# Altium PCB MCC17.PcbDoc (part 4 of 5) (continued)
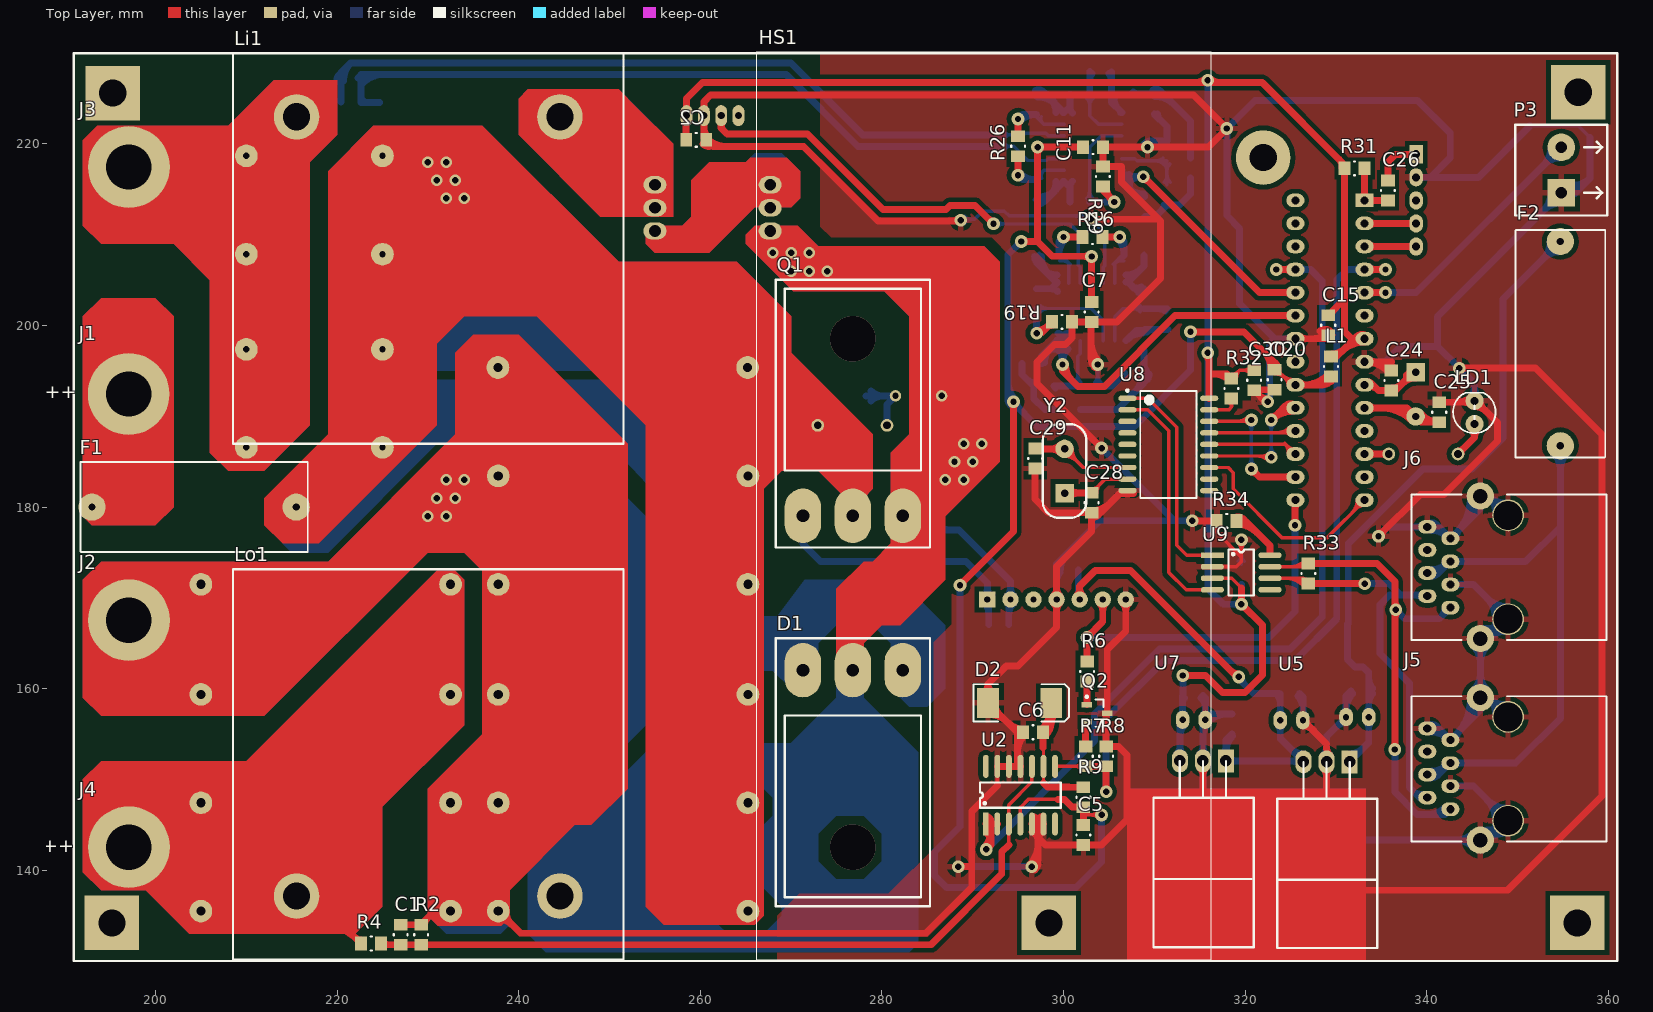
[diagram p0: Top Layer view]
## Nets (pads, with @x,y where several pads share a name; then routed paths per layer and width w, separated by ;. In a path a pad name is that pad's centre, name@x,y a point inside that pad or via, vN(x,y) a via of type N, cw(c..) or ccw(c..) an arc to the next point about the centre after c; other vN are vias at no path point) (continued)
  Top Layer w0.762: Y2.1@300.166,181.576 C28.2@303.101,181.576 ; Y2.1@300.575,181.087 cw(c301.756,179.906) 301.756,181.576 ; Y2.1@300.575,181.087 cw(c301.756,179.906) 301.756,181.576 ; Y2.1@300.575,181.087 cw(c301.756,179.906) 301.756,181.576 ; Y2.1@300.575,181.087 cw(c301.756,179.906) 301.756,181.576 ; Y2.1@300.575,181.985 ccw(c301.562,182.972) 301.562,181.576 ; Y2.1@300.575,181.985 ccw(c301.562,182.972) 301.562,181.576 ; Y2.1@300.575,181.985 ccw(c301.562,182.972) 301.562,181.576 ; Y2.1@300.575,181.985 ccw(c301.562,182.972) 301.562,181.576
NetC29_2: C29.2 U8.7 Y2.2 | length 42.4
  Top Layer w0.381: C29.2@296.876,186.451 C29.2@296.911,186.451 ; Y2.2@300.091,186.451 Y2.2@300.126,186.416 302.181,184.361 U8.7@307.051,184.361 ; Y2.2@300.126,185.59 cw(c300.126,183.597) 301.535,185.007 ; Y2.2@300.126,185.59 cw(c300.126,183.597) 301.535,185.007 ; Y2.2@300.126,185.59 cw(c300.126,183.597) 301.535,185.007 ; Y2.2@300.126,185.59 cw(c300.126,183.597) 301.535,185.007 ; Y2.2@300.126,185.971 cw(c300.126,184.898) 300.885,185.657 ; Y2.2@300.126,185.971 cw(c300.126,184.898) 300.885,185.657 ; Y2.2@300.126,185.971 cw(c300.126,184.898) 300.885,185.657 ; Y2.2@300.126,185.971 cw(c300.126,184.898) 300.885,185.657 ; Y2.2@300.57,186.416 ccw(c301.644,186.416) 300.885,185.657 ; Y2.2@300.57,186.416 ccw(c301.644,186.416) 300.885,185.657 ; Y2.2@300.57,186.416 ccw(c301.644,186.416) 300.885,185.657 ; Y2.2@300.57,186.416 ccw(c301.644,186.416) 300.885,185.657 ; Y2.2@300.951,186.416 ccw(c302.944,186.416) 301.535,185.007 ; Y2.2@300.951,186.416 ccw(c302.944,186.416) 301.535,185.007 ; Y2.2@300.951,186.416 ccw(c302.944,186.416) 301.535,185.007 ; Y2.2@300.951,186.416 ccw(c302.944,186.416) 301.535,185.007
  Top Layer w0.762: C29.2@296.911,186.416 Y2.2@300.126,186.416 ; C29.2@297.166,186.641 ccw(c297.71,187.185) 297.71,186.416 ; C29.2@297.166,186.641 ccw(c297.71,187.185) 297.71,186.416 ; C29.2@297.166,186.641 ccw(c297.71,187.185) 297.71,186.416 ; C29.2@297.166,186.641 ccw(c297.71,187.185) 297.71,186.416 ; 298.593,186.416 cw(c298.593,184.883) Y2.2@299.677,185.967 ; 298.593,186.416 ccw(c298.593,187.949) Y2.2@299.677,186.865 ; 298.593,186.416 cw(c298.593,184.883) Y2.2@299.677,185.967 ; 298.593,186.416 ccw(c298.593,187.949) Y2.2@299.677,186.865 ; 298.593,186.416 ccw(c298.593,187.949) Y2.2@299.677,186.865 ; 298.593,186.416 cw(c298.593,184.883) Y2.2@299.677,185.967 ; 298.593,186.416 ccw(c298.593,187.949) Y2.2@299.677,186.865 ; 298.593,186.416 cw(c298.593,184.883) Y2.2@299.677,185.967
NetCs1_2: Cs1.2 Ds1.2 Rs1.1 | length 23.4
  Bottom Layer w0.762: Ds1.2@278.25,192.25 Cs1.2@281.5,192.25 280.56,191.31 Rs1.1@280.56,189 ; Ds1.2@278.794,191.706 cw(c280.107,190.393) 280.107,192.25 ; Ds1.2@278.794,191.706 cw(c280.107,190.393) 280.107,192.25 ; Ds1.2@278.794,191.706 cw(c280.107,190.393) 280.107,192.25 ; Ds1.2@278.794,191.706 cw(c280.107,190.393) 280.107,192.25 ; Ds1.2@278.794,192.794 ccw(c280.107,194.107) 280.107,192.25 ; Ds1.2@278.794,192.794 ccw(c280.107,194.107) 280.107,192.25 ; Ds1.2@278.794,192.794 ccw(c280.107,194.107) 280.107,192.25 ; Ds1.2@278.794,192.794 ccw(c280.107,194.107) 280.107,192.25 ; Rs1.1@280.334,189.226 ccw(c279.79,189.77) 280.56,189.77 ; Rs1.1@280.334,189.226 ccw(c279.79,189.77) 280.56,189.77 ; Rs1.1@280.334,189.226 ccw(c279.79,189.77) 280.56,189.77 ; Rs1.1@280.334,189.226 ccw(c279.79,189.77) 280.56,189.77 ; 280.56,189.77 ccw(c281.33,189.77) Rs1.1@280.786,189.226 ; 280.56,189.77 ccw(c281.33,189.77) Rs1.1@280.786,189.226 ; 280.56,189.77 ccw(c281.33,189.77) Rs1.1@280.786,189.226 ; 280.56,189.77 ccw(c281.33,189.77) Rs1.1@280.786,189.226
NetF1_2: F1.2 J1.1 | length 106.3
  Bottom Layer w1.524: F1.2@193,180 197.04,184.04 J1.1@197.04,192.456 ; F1.2@193,180.738 ccw(c193,182.52) 194.26,181.26 ; F1.2@193,180.738 ccw(c193,182.52) 194.26,181.26 ; F1.2@193,180.738 ccw(c193,182.52) 194.26,181.26 ; F1.2@193,180.738 ccw(c193,182.52) 194.26,181.26 ; F1.2@193.738,180 cw(c195.52,180) 194.26,181.26 ; F1.2@193.738,180 cw(c195.52,180) 194.26,181.26 ; F1.2@193.738,180 cw(c195.52,180) 194.26,181.26 ; F1.2@193.738,180 cw(c195.52,180) 194.26,181.26 ; J1.1@194.534,189.683 cw(c189.436,184.04) 197.04,184.04 ; J1.1@194.534,189.683 cw(c189.436,184.04) 197.04,184.04 ; J1.1@194.534,189.683 cw(c189.436,184.04) 197.04,184.04 ; J1.1@194.534,189.683 cw(c189.436,184.04) 197.04,184.04 ; J1.1@195.556,190.813 cw(c192.536,187.471) 197.04,187.471 ; J1.1@195.556,190.813 cw(c192.536,187.471) 197.04,187.471 ; J1.1@195.556,190.813 cw(c192.536,187.471) 197.04,187.471 ; J1.1@195.556,190.813 cw(c192.536,187.471) 197.04,187.471 ; 197.04,184.04 cw(c204.644,184.04) J1.1@199.546,189.683 ; 197.04,184.04 cw(c204.644,184.04) J1.1@199.546,189.683 ; 197.04,184.04 cw(c204.644,184.04) J1.1@199.546,189.683 ; 197.04,184.04 cw(c204.644,184.04) J1.1@199.546,189.683 ; 197.04,187.471 cw(c201.544,187.471) J1.1@198.524,190.813 ; 197.04,187.471 cw(c201.544,187.471) J1.1@198.524,190.813 ; 197.04,187.471 cw(c201.544,187.471) J1.1@198.524,190.813 ; 197.04,187.471 cw(c201.544,187.471) J1.1@198.524,190.813
NetLD1_1: LD1.1 R30.1 | length 18.2
  Top Layer w0.762: R30.1@343.45,185.85 345.275,187.675 ; LD1.1@345.275,189.16 345.275,187.675 ; R30.1@343.45,186.169 ccw(c343.45,186.939) 343.995,186.395 ; R30.1@343.45,186.169 ccw(c343.45,186.939) 343.995,186.395 ; R30.1@343.45,186.169 ccw(c343.45,186.939) 343.995,186.395 ; R30.1@343.45,186.169 ccw(c343.45,186.939) 343.995,186.395 ; R30.1@343.769,185.85 cw(c344.539,185.85) 343.995,186.395 ; R30.1@343.769,185.85 cw(c344.539,185.85) 343.995,186.395 ; R30.1@343.769,185.85 cw(c344.539,185.85) 343.995,186.395 ; R30.1@343.769,185.85 cw(c344.539,185.85) 343.995,186.395 ; LD1.1@344.839,188.72 cw(c343.803,187.675) 345.275,187.675 ; LD1.1@344.839,188.72 cw(c343.803,187.675) 345.275,187.675 ; LD1.1@344.839,188.72 cw(c343.803,187.675) 345.275,187.675 ; LD1.1@344.839,188.72 cw(c343.803,187.675) 345.275,187.675 ; 345.275,187.675 cw(c346.747,187.675) LD1.1@345.711,188.72 ; 345.275,187.675 cw(c346.747,187.675) LD1.1@345.711,188.72 ; 345.275,187.675 cw(c346.747,187.675) LD1.1@345.711,188.72 ; 345.275,187.675 cw(c346.747,187.675) LD1.1@345.711,188.72
NetLi1_2: Li1.2 U1.1 U1.2 | length 135.3
  Top Layer w1.524: Li1.2@244.544,222.98 247.52,222.98 ; U1.2@255,212.96 U1.1@255,215.5 247.52,222.98 ; Li1.2@244.544,221.242 cw(c244.544,209.861) 252.591,217.909 ; Li1.2@244.544,221.242 cw(c244.544,209.861) 252.591,217.909 ; Li1.2@244.544,221.242 cw(c244.544,209.861) 252.591,217.909 ; Li1.2@244.544,221.242 cw(c244.544,209.861) 252.591,217.909 ; Li1.2@244.544,222.766 cw(c244.544,215.065) 249.99,220.51 ; Li1.2@244.544,222.766 cw(c244.544,215.065) 249.99,220.51 ; Li1.2@244.544,222.766 cw(c244.544,215.065) 249.99,220.51 ; Li1.2@244.544,222.766 cw(c244.544,215.065) 249.99,220.51 ; Li1.2@244.544,224.29 cw(c244.544,220.268) 247.388,223.112 ; Li1.2@244.544,224.29 cw(c244.544,220.268) 247.388,223.112 ; Li1.2@244.544,224.29 cw(c244.544,220.268) 247.388,223.112 ; Li1.2@244.544,224.29 cw(c244.544,220.268) 247.388,223.112 ; Li1.2@244.681,222.816 cw(c246.176,221.021) 247.828,222.672 ; Li1.2@244.681,222.816 cw(c246.176,221.021) 247.828,222.672 ; Li1.2@244.681,222.816 cw(c246.176,221.021) 247.828,222.672 ; Li1.2@244.681,222.816 cw(c246.176,221.021) 247.828,222.672 ; Li1.2@245.656,221.645 cw(c247.249,219.733) 249.008,221.492 ; Li1.2@245.656,221.645 cw(c247.249,219.733) 249.008,221.492 ; Li1.2@245.656,221.645 cw(c247.249,219.733) 249.008,221.492 ; Li1.2@245.656,221.645 cw(c247.249,219.733) 249.008,221.492 ; Li1.2@246.058,222.126 cw(c247.52,221.301) 247.52,222.98 ; Li1.2@246.058,222.126 cw(c247.52,221.301) 247.52,222.98 ; Li1.2@246.058,222.126 cw(c247.52,221.301) 247.52,222.98 ; Li1.2@246.058,222.126 cw(c247.52,221.301) 247.52,222.98 ; Li1.2@246.058,223.834 ccw(c247.52,224.659) 247.52,222.98 ; Li1.2@246.058,223.834 ccw(c247.52,224.659) 247.52,222.98 ; Li1.2@246.058,223.834 ccw(c247.52,224.659) 247.52,222.98 ; Li1.2@246.058,223.834 ccw(c247.52,224.659) 247.52,222.98 ; 254.133,216.367 cw(c253.266,215.5) U1.1@254.492,215.5 ; 254.133,216.367 cw(c253.266,215.5) U1.1@254.492,215.5 ; 254.133,216.367 cw(c253.266,215.5) U1.1@254.492,215.5 ; 254.133,216.367 cw(c253.266,215.5) U1.1@254.492,215.5
NetQ2_1: Q2.1 R6.2 | length 4.9
  Top Layer w0.381: R6.2@302.575,160.5 302.575,160.775 R6.2@302.6,160.8
  Top Layer w0.762: Q2.1@302.575,158.25 R6.2@302.575,160.5 ; 302.575,160.09 cw(c303.31,160.09) R6.2@302.79,160.61 ; 302.575,160.09 cw(c303.31,160.09) R6.2@302.79,160.61 ; 302.575,160.09 cw(c303.31,160.09) R6.2@302.79,160.61 ; 302.575,160.09 cw(c303.31,160.09) R6.2@302.79,160.61
NetQ2_2: Q2.2 R7.1 | length 2.9
  Top Layer w0.381: R7.1@302.45,153.65 R7.1@302.575,153.775 ; Q2.2@302.575,156.225 Q2.2@302.575,156.35
  Top Layer w0.762: R7.1@302.45,153.65 Q2.2@302.45,156.225
NetR10_1: R10.1 R11.2 U3.9 | length 18.6
  Bottom Layer w0.381: U3.9@305.64,198.325 305.64,200.94 306.55,201.85 R10.1@308.875,201.85 ; 307.666,201.85 cw(c307.666,200.741) R10.1@308.45,201.525 ; 307.666,201.85 ccw(c307.666,202.959) R10.1@308.45,202.175 ; 307.666,201.85 cw(c307.666,200.741) R10.1@308.45,201.525 ; 307.666,201.85 ccw(c307.666,202.959) R10.1@308.45,202.175 ; 307.666,201.85 ccw(c307.666,202.959) R10.1@308.45,202.175 ; 307.666,201.85 cw(c307.666,200.741) R10.1@308.45,201.525 ; 307.666,201.85 ccw(c307.666,202.959) R10.1@308.45,202.175 ; 307.666,201.85 cw(c307.666,200.741) R10.1@308.45,201.525
  Bottom Layer w0.762: R10.1@308.875,201.85 R11.2@311.425,201.85 ; 310.57,201.85 cw(c310.57,200.945) R11.2@311.21,201.585 ; 310.57,201.85 cw(c310.57,200.945) R11.2@311.21,201.585 ; 310.57,201.85 cw(c310.57,200.945) R11.2@311.21,201.585 ; 310.57,201.85 cw(c310.57,200.945) R11.2@311.21,201.585
NetR10_2: R10.2 R12.1 U3.7 | length 23.2
  Bottom Layer w0.381: R12.1@308.875,207.7 R12.1@308.875,207.95
  Bottom Layer w0.762: R10.2@308.875,204.05 307.85,204.05 307.103,204.797 308.875,206.568 R12.1@308.875,207.7 ; U3.7@306.91,204.802 ccw(c306.91,205.282) 307.249,204.942 ; U3.7@306.91,204.802 ccw(c306.91,205.282) 307.249,204.942 ; U3.7@306.91,204.802 ccw(c306.91,205.282) 307.249,204.942 ; U3.7@306.91,204.802 ccw(c306.91,205.282) 307.249,204.942 ; U3.7@306.91,205.564 ccw(c306.91,207.883) 308.55,206.243 ; U3.7@306.91,205.564 ccw(c306.91,207.883) 308.55,206.243 ; U3.7@306.91,205.564 ccw(c306.91,207.883) 308.55,206.243 ; U3.7@306.91,205.564 ccw(c306.91,207.883) 308.55,206.243 ; 307.566,204.334 ccw(c308.129,204.897) R10.2@308.612,204.264 ; 307.566,204.334 ccw(c308.129,204.897) R10.2@308.612,204.264 ; 307.566,204.334 ccw(c308.129,204.897) R10.2@308.612,204.264 ; 307.566,204.334 ccw(c308.129,204.897) R10.2@308.612,204.264 ; R10.2@308.182,203.718 ccw(c308.662,204.198) R10.2@309.074,203.658 ; R10.2@308.182,203.718 ccw(c308.662,204.198) R10.2@309.074,203.658 ; R10.2@308.182,203.718 ccw(c308.662,204.198) R10.2@309.074,203.658 ; R10.2@308.182,203.718 ccw(c308.662,204.198) R10.2@309.074,203.658
NetR11_1: R11.1 R13.2 U3.8 | length 16.1
  Bottom Layer w0.381: R13.2@308.875,199.45 R13.2@309,199.45
  Bottom Layer w0.762: U3.8@306.91,198.325 308.035,199.45 R13.2@308.875,199.45 ; R13.2@309,199.575 R11.1@311.5,199.575 ; U3.8@307.053,198.468 cw(c308.775,196.745) R13.2@308.775,199.181 ; U3.8@307.053,198.468 cw(c308.775,196.745) R13.2@308.775,199.181 ; U3.8@307.053,198.468 cw(c308.775,196.745) R13.2@308.775,199.181 ; U3.8@307.053,198.468 cw(c308.775,196.745) R13.2@308.775,199.181 ; R13.2@309.165,199.26 cw(c309.926,198.499) 309.926,199.575 ; R13.2@309.165,199.26 cw(c309.926,198.499) 309.926,199.575 ; R13.2@309.165,199.26 cw(c309.926,198.499) 309.926,199.575 ; R13.2@309.165,199.26 cw(c309.926,198.499) 309.926,199.575
NetR12_2: R12.2 R16.2 U3.6 | length 24
  Top Layer w0.762: R16.2@304.3,209.75 v1(306.2,209.75) ; v1@305.974,209.524 ccw(c305.43,208.98) 305.43,209.75 ccw(c305.43,210.52) v1@305.974,209.976
  Bottom Layer w0.381: U3.6@305.64,204.675 305.64,206.915 306.55,207.825 R12.2@306.675,207.95 ; 305.465,206.74 cw(c306.461,205.744) R12.2@306.622,207.144 ; 305.465,206.74 cw(c306.461,205.744) R12.2@306.622,207.144 ; 305.465,206.74 cw(c306.461,205.744) R12.2@306.622,207.144 ; 305.465,206.74 cw(c306.461,205.744) R12.2@306.622,207.144 ; 306.023,207.298 cw(c306.577,206.744) R12.2@306.666,207.522 ; 306.023,207.298 cw(c306.577,206.744) R12.2@306.666,207.522 ; 306.023,207.298 cw(c306.577,206.744) R12.2@306.666,207.522 ; 306.023,207.298 cw(c306.577,206.744) R12.2@306.666,207.522
  Bottom Layer w0.762: v1@305.979,209.52 cw(c304.415,207.888) R12.2@306.675,207.888 ; v1(306.2,209.75) 306.675,209.275 306.675,207.95 R12.2@306.675,207.7 ; v1@306.02,209.57 cw(c304.44,207.99) R12.2@306.675,207.99 ; v1@306.02,209.57 cw(c304.44,207.99) R12.2@306.675,207.99 ; v1@306.02,209.57 cw(c304.44,207.99) R12.2@306.675,207.99
NetR16_1: R16.1 R17.2 U3.2 | length 24.2
  Top Layer w0.381: R16.1@301.9,209.75 R16.1@302.1,209.75
  Top Layer w0.762: v1(300,209.75) R16.1@301.9,209.75 ; v1@300.226,209.524 cw(c300.77,208.98) 300.77,209.75 cw(c300.77,210.52) v1@300.226,209.976
  Bottom Layer w0.381: R17.2@299.525,207.95 299.65,207.825 300.56,206.915 U3.2@300.56,204.675 ; R17.2@299.534,207.522 cw(c299.623,206.744) 300.177,207.298 ; R17.2@299.534,207.522 cw(c299.623,206.744) 300.177,207.298 ; R17.2@299.534,207.522 cw(c299.623,206.744) 300.177,207.298 ; R17.2@299.534,207.522 cw(c299.623,206.744) 300.177,207.298 ; R17.2@299.578,207.144 cw(c299.739,205.744) 300.735,206.74 ; R17.2@299.578,207.144 cw(c299.739,205.744) 300.735,206.74 ; R17.2@299.578,207.144 cw(c299.739,205.744) 300.735,206.74 ; R17.2@299.578,207.144 cw(c299.739,205.744) 300.735,206.74
  Bottom Layer w0.762: R17.2@299.525,207.7 299.525,207.95 299.525,209.275 v1(300,209.75) ; R17.2@299.525,207.888 cw(c301.785,207.888) v1@300.221,209.52 ; R17.2@299.525,207.99 cw(c301.76,207.99) v1@300.18,209.57 ; R17.2@299.525,207.99 cw(c301.76,207.99) v1@300.18,209.57 ; R17.2@299.525,207.99 cw(c301.76,207.99) v1@300.18,209.57
NetR17_1: R17.1 R18.2 U3.1 | length 33.1
  Bottom Layer w0.381: R17.1@297.325,207.7 R17.1@297.325,207.95
  Bottom Layer w0.762: R18.2@297.05,204.05 298.665,204.05 ; R17.1@297.325,207.7 297.325,206.64 U3.1@299.29,204.675 298.665,204.05 ; R17.1@296.832,207.6 ccw(c297.959,207.6) 297.162,206.803 ; R17.1@296.832,207.6 ccw(c297.959,207.6) 297.162,206.803 ; R17.1@296.832,207.6 ccw(c297.959,207.6) 297.162,206.803 ; R17.1@296.832,207.6 ccw(c297.959,207.6) 297.162,206.803 ; R17.1@297.594,207.6 ccw(c300.561,207.6) 298.463,205.502 ; R17.1@297.594,207.6 ccw(c300.561,207.6) 298.463,205.502 ; R17.1@297.594,207.6 ccw(c300.561,207.6) 298.463,205.502 ; R17.1@297.594,207.6 ccw(c300.561,207.6) 298.463,205.502 ; 297.801,206.164 ccw(c299.25,207.612) U3.1@299.291,205.564 ; 297.801,206.164 ccw(c299.25,207.612) U3.1@299.291,205.564 ; 297.801,206.164 ccw(c299.25,207.612) U3.1@299.291,205.564 ; 297.801,206.164 ccw(c299.25,207.612) U3.1@299.291,205.564 ; 298.653,204.05 cw(c298.653,203.085) U3.1@299.335,203.767 ; 298.653,204.05 cw(c298.653,203.085) U3.1@299.335,203.767 ; 298.653,204.05 cw(c298.653,203.085) U3.1@299.335,203.767 ; 298.653,204.05 cw(c298.653,203.085) U3.1@299.335,203.767 ; 298.665,204.05 cw(c298.665,203.115) U3.1@299.336,203.767 ; 298.665,204.05 cw(c298.665,203.115) U3.1@299.336,203.767 ; 298.665,204.05 cw(c298.665,203.115) U3.1@299.336,203.767 ; 298.665,204.05 cw(c298.665,203.115) U3.1@299.336,203.767 ; U3.1@299.066,204.899 ccw(c299.3,205.133) U3.1@299.307,204.802 ; U3.1@299.066,204.899 ccw(c299.3,205.133) U3.1@299.307,204.802 ; U3.1@299.066,204.899 ccw(c299.3,205.133) U3.1@299.307,204.802 ; U3.1@299.066,204.899 ccw(c299.3,205.133) U3.1@299.307,204.802
NetR18_1: R18.1 R19.2 U3.10 | length 31.5
  Top Layer w0.381: v1(297.05,199.15) v1@297.5,199.15
  Top Layer w0.762: v1@297.05,199.469 ccw(c297.05,201.326) R19.2@298.363,200.013 ; v1@297.5,199.15 R19.2@298.75,200.4 ; v1@297.05,199.404 ccw(c297.05,201.104) R19.2@298.252,199.902 ; v1@297.05,199.404 ccw(c297.05,201.104) R19.2@298.252,199.902 ; v1@297.05,199.404 ccw(c297.05,201.104) R19.2@298.252,199.902 ; R19.2@298.12,199.77 cw(c298.75,199.14) R19.2@298.75,200.031 ; R19.2@298.12,199.77 cw(c298.75,199.14) R19.2@298.75,200.031 ; R19.2@298.12,199.77 cw(c298.75,199.14) R19.2@298.75,200.031 ; R19.2@298.12,199.77 cw(c298.75,199.14) R19.2@298.75,200.031
  Bottom Layer w0.381: R18.1@297.05,201.85 297.05,201.875 303.075,201.875 304.37,200.58 U3.10@304.37,198.325 ; R18.1@297.475,201.525 cw(c298.32,200.68) 298.32,201.875 ; R18.1@297.475,201.525 cw(c298.32,200.68) 298.32,201.875 ; R18.1@297.475,201.525 cw(c298.32,200.68) 298.32,201.875 ; R18.1@297.475,201.525 cw(c298.32,200.68) 298.32,201.875 ; R18.1@297.475,202.175 ccw(c298.199,202.899) 298.199,201.875 ; R18.1@297.475,202.175 ccw(c298.199,202.899) 298.199,201.875 ; R18.1@297.475,202.175 ccw(c298.199,202.899) 298.199,201.875 ; R18.1@297.475,202.175 ccw(c298.199,202.899) 298.199,201.875
  Bottom Layer w0.762: v1@296.824,199.376 ccw(c296.28,199.92) 297.05,199.92 ccw(c297.82,199.92) v1@297.276,199.376 ; v1(297.05,199.15) R18.1@297.05,201.85
NetR20_1: R20.1 R21.2 U4.9 | length 18.6
  Bottom Layer w0.381: R20.1@302.9,225.425 302.9,223.1 303.81,222.19 U4.9@306.425,222.19 ; R20.1@302.575,225 cw(c301.791,224.216) 302.9,224.216 ; R20.1@302.575,225 cw(c301.791,224.216) 302.9,224.216 ; R20.1@302.575,225 cw(c301.791,224.216) 302.9,224.216 ; R20.1@302.575,225 cw(c301.791,224.216) 302.9,224.216 ; 302.9,224.216 cw(c304.009,224.216) R20.1@303.225,225 ; 302.9,224.216 cw(c304.009,224.216) R20.1@303.225,225 ; 302.9,224.216 cw(c304.009,224.216) R20.1@303.225,225 ; 302.9,224.216 cw(c304.009,224.216) R20.1@303.225,225
  Bottom Layer w0.762: R20.1@302.9,225.425 R21.2@302.9,227.975 ; 302.9,227.12 cw(c303.805,227.12) R21.2@303.165,227.76 ; 302.9,227.12 cw(c303.805,227.12) R21.2@303.165,227.76 ; 302.9,227.12 cw(c303.805,227.12) R21.2@303.165,227.76 ; 302.9,227.12 cw(c303.805,227.12) R21.2@303.165,227.76
NetR20_2: R20.2 R22.1 U4.7 | length 42.4
  Bottom Layer w0.381: R22.1@296.8,225.425 R22.1@297.05,225.425
  Bottom Layer w0.762: R22.1@297.05,225.425 298.11,225.425 U4.7@300.075,223.46 300.7,224.085 ; R20.2@300.7,225.425 300.7,224.085 ; R22.1@296.943,225.872 cw(c297.269,225.168) 297.818,225.717 ; R22.1@296.943,225.872 cw(c297.269,225.168) 297.818,225.717 ; R22.1@296.943,225.872 cw(c297.269,225.168) 297.818,225.717 ; R22.1@296.943,225.872 cw(c297.269,225.168) 297.818,225.717 ; R22.1@297.15,225.156 cw(c297.15,222.189) 299.248,224.287 ; R22.1@297.15,225.156 cw(c297.15,222.189) 299.248,224.287 ; R22.1@297.15,225.156 cw(c297.15,222.189) 299.248,224.287 ; R22.1@297.15,225.156 cw(c297.15,222.189) 299.248,224.287 ; R22.1@297.15,225.918 cw(c297.15,224.791) 297.947,225.588 ; R22.1@297.15,225.918 cw(c297.15,224.791) 297.947,225.588 ; R22.1@297.15,225.918 cw(c297.15,224.791) 297.947,225.588 ; R22.1@297.15,225.918 cw(c297.15,224.791) 297.947,225.588 ; R22.1@297.263,225.181 cw(c297.758,224.113) 298.59,224.945 ; R22.1@297.263,225.181 cw(c297.758,224.113) 298.59,224.945 ; R22.1@297.263,225.181 cw(c297.758,224.113) 298.59,224.945 ; R22.1@297.263,225.181 cw(c297.758,224.113) 298.59,224.945 ; 298.557,224.978 cw(c297.04,223.46) U4.7@299.186,223.46 ; 298.557,224.978 cw(c297.04,223.46) U4.7@299.186,223.46 ; 298.557,224.978 cw(c297.04,223.46) U4.7@299.186,223.46 ; 298.557,224.978 cw(c297.04,223.46) U4.7@299.186,223.46 ; U4.7@299.858,223.677 cw(c299.641,223.46) U4.7@299.948,223.46 ; U4.7@299.858,223.677 cw(c299.641,223.46) U4.7@299.948,223.46 ; U4.7@299.858,223.677 cw(c299.641,223.46) U4.7@299.948,223.46 ; U4.7@299.858,223.677 cw(c299.641,223.46) U4.7@299.948,223.46 ; 300.7,224.085 ccw(c301.635,224.085) U4.7@300.983,223.414 ; 300.7,224.085 ccw(c301.635,224.085) U4.7@300.983,223.414 ; 300.7,224.085 ccw(c301.635,224.085) U4.7@300.983,223.414 ; 300.7,224.085 ccw(c301.635,224.085) U4.7@300.983,223.414 ; 300.7,224.097 ccw(c301.665,224.097) U4.7@300.983,223.415 ; 300.7,224.097 ccw(c301.665,224.097) U4.7@300.983,223.415 ; 300.7,224.097 ccw(c301.665,224.097) U4.7@300.983,223.415 ; 300.7,224.097 ccw(c301.665,224.097) U4.7@300.983,223.415
NetR21_1: R21.1 R23.2 U4.8 | length 15.6
  Bottom Layer w0.762: R21.1@305.3,227.925 R23.2@305.3,225.425 305.3,224.585 U4.8@306.425,223.46 ; R21.1@304.985,227.76 cw(c304.224,226.999) 305.3,226.999 ; R21.1@304.985,227.76 cw(c304.224,226.999) 305.3,226.999 ; R21.1@304.985,227.76 cw(c304.224,226.999) 305.3,226.999 ; R21.1@304.985,227.76 cw(c304.224,226.999) 305.3,226.999 ; R23.2@305.566,225.288 ccw(c307.274,225.049) 306.055,223.83 ; R23.2@305.566,225.288 ccw(c307.274,225.049) 306.055,223.83 ; R23.2@305.566,225.288 ccw(c307.274,225.049) 306.055,223.83 ; R23.2@305.566,225.288 ccw(c307.274,225.049) 306.055,223.83 ; U4.8@306.208,223.677 cw(c305.991,223.46) U4.8@306.298,223.46 ; U4.8@306.208,223.677 cw(c305.991,223.46) U4.8@306.298,223.46 ; U4.8@306.208,223.677 cw(c305.991,223.46) U4.8@306.298,223.46 ; U4.8@306.208,223.677 cw(c305.991,223.46) U4.8@306.298,223.46
NetR22_2: R22.2 R26.2 U4.6 | length 19
  Top Layer w0.762: v1@294.774,222.524 cw(c294.23,221.98) 295,221.98 cw(c295.77,221.98) v1@295.226,222.524 ; R26.2@295,220.85 v1(295,222.75)
  Bottom Layer w0.381: R22.2@296.8,223.225 296.925,223.1 297.835,222.19 U4.6@300.075,222.19 ; R22.2@297.559,223.015 ccw(c298.054,222.759) 297.66,222.365 ; R22.2@297.559,223.015 ccw(c298.054,222.759) 297.66,222.365 ; R22.2@297.559,223.015 ccw(c298.054,222.759) 297.66,222.365 ; R22.2@297.559,223.015 ccw(c298.054,222.759) 297.66,222.365
  Bottom Layer w0.762: v1(295,222.75) 295.475,223.225 R22.2@297.05,223.225 ; v1@295.226,222.524 cw(c296.917,220.833) R22.2@296.917,223.225 ; v1@295.18,222.57 cw(c296.76,220.99) R22.2@296.76,223.225 ; v1@295.18,222.57 cw(c296.76,220.99) R22.2@296.76,223.225 ; v1@295.18,222.57 cw(c296.76,220.99) R22.2@296.76,223.225
NetR26_1: R26.1 R27.2 U4.2 | length 20.2
  Top Layer w0.762: v1@294.774,216.776 ccw(c294.23,217.32) 295,217.32 ccw(c295.77,217.32) v1@295.226,216.776 ; v1(295,216.55) R26.1@295,218.65
  Bottom Layer w0.381: R27.2@296.8,216.075 296.925,216.2 297.835,217.11 ; U4.2@300.075,217.11 297.835,217.11 ; R27.2@297.593,216.197 cw(c298.5,216.445) 297.835,217.11 ; R27.2@297.593,216.197 cw(c298.5,216.445) 297.835,217.11 ; R27.2@297.593,216.197 cw(c298.5,216.445) 297.835,217.11 ; R27.2@297.593,216.197 cw(c298.5,216.445) 297.835,217.11
  Bottom Layer w0.762: v1(295,216.55) 295.475,216.075 R27.2@296.8,216.075 ; v1@295.236,216.765 ccw(c296.8,218.193) R27.2@296.8,216.075 ; R27.2@297.05,216.075 R27.2@296.8,216.075 ; v1@295.18,216.73 ccw(c296.76,218.31) R27.2@296.76,216.075 ; v1@295.18,216.73 ccw(c296.76,218.31) R27.2@296.76,216.075 ; v1@295.18,216.73 ccw(c296.76,218.31) R27.2@296.76,216.075
NetR27_1: R27.1 R28.2 U4.1 | length 33.2
  Bottom Layer w0.381: R27.1@296.8,213.875 R27.1@297.05,213.875
  Bottom Layer w0.762: R27.1@297.05,213.875 298.11,213.875 U4.1@300.075,215.84 300.7,215.215 R28.2@300.7,213.6 ; R27.1@297.15,213.382 ccw(c297.15,214.509) 297.947,213.712 ; R27.1@297.15,213.382 ccw(c297.15,214.509) 297.947,213.712 ; R27.1@297.15,213.382 ccw(c297.15,214.509) 297.947,213.712 ; R27.1@297.15,213.382 ccw(c297.15,214.509) 297.947,213.712 ; R27.1@297.15,214.144 ccw(c297.15,217.111) 299.248,215.013 ; R27.1@297.15,214.144 ccw(c297.15,217.111) 299.248,215.013 ; R27.1@297.15,214.144 ccw(c297.15,217.111) 299.248,215.013 ; R27.1@297.15,214.144 ccw(c297.15,217.111) 299.248,215.013 ; 298.586,214.351 ccw(c297.138,215.8) U4.1@299.186,215.841 ; 298.586,214.351 ccw(c297.138,215.8) U4.1@299.186,215.841 ; 298.586,214.351 ccw(c297.138,215.8) U4.1@299.186,215.841 ; 298.586,214.351 ccw(c297.138,215.8) U4.1@299.186,215.841 ; U4.1@299.851,215.616 ccw(c299.617,215.85) U4.1@299.948,215.857 ; U4.1@299.851,215.616 ccw(c299.617,215.85) U4.1@299.948,215.857 ; U4.1@299.851,215.616 ccw(c299.617,215.85) U4.1@299.948,215.857 ; U4.1@299.851,215.616 ccw(c299.617,215.85) U4.1@299.948,215.857 ; 300.7,215.203 cw(c301.665,215.203) U4.1@300.983,215.885 ; 300.7,215.203 cw(c301.665,215.203) U4.1@300.983,215.885 ; 300.7,215.203 cw(c301.665,215.203) U4.1@300.983,215.885 ; 300.7,215.203 cw(c301.665,215.203) U4.1@300.983,215.885 ; 300.7,215.203 cw(c301.665,215.203) U4.1@300.983,215.885 ; 300.7,215.203 cw(c301.665,215.203) U4.1@300.983,215.885 ; 300.7,215.203 cw(c301.665,215.203) U4.1@300.983,215.885 ; 300.7,215.203 cw(c301.665,215.203) U4.1@300.983,215.885
NetR28_1: R28.1 R29.2 U4.10 | length 30.7
  Top Layer w0.762: R29.2@304.35,215.3 304.35,214.85 v1(305.6,213.6) ; v1@305.281,213.6 ccw(c304.511,213.6) 305.055,214.145 ccw(c305.6,214.689) v1@305.6,213.919 ; R29.2@304.719,215.3 ccw(c306.696,215.3) v1@305.298,213.902 ; R29.2@304.719,215.3 ccw(c306.696,215.3) v1@305.298,213.902 ; R29.2@304.719,215.3 ccw(c306.696,215.3) v1@305.298,213.902 ; R29.2@304.719,215.3 ccw(c306.696,215.3) v1@305.298,213.902
  Bottom Layer w0.381: R28.1@302.9,213.6 302.875,213.6 302.875,219.625 304.17,220.92 U4.10@306.425,220.92 ; R28.1@302.575,214.025 ccw(c301.851,214.749) 302.875,214.749 ; R28.1@302.575,214.025 ccw(c301.851,214.749) 302.875,214.749 ; R28.1@302.575,214.025 ccw(c301.851,214.749) 302.875,214.749 ; R28.1@302.575,214.025 ccw(c301.851,214.749) 302.875,214.749 ; 302.875,214.87 ccw(c304.07,214.87) R28.1@303.225,214.025 ; 302.875,214.87 ccw(c304.07,214.87) R28.1@303.225,214.025 ; 302.875,214.87 ccw(c304.07,214.87) R28.1@303.225,214.025 ; 302.875,214.87 ccw(c304.07,214.87) R28.1@303.225,214.025
  Bottom Layer w0.762: R28.1@302.9,213.6 v1(305.6,213.6) ; v1@305.374,213.374 ccw(c304.83,212.83) 304.83,213.6 ccw(c304.83,214.37) v1@305.374,213.826
NetR32_2: R32.2 U8.17 | length 9.5
  Top Layer w0.381: U8.17@316.051,190.711 318.236,190.711 318.501,190.976 ; R32.2@318.501,191.976 318.501,190.976 ; R32.2@318.202,191.627 cw(c317.643,190.976) 318.501,190.976 ; R32.2@318.202,191.627 cw(c317.643,190.976) 318.501,190.976 ; R32.2@318.202,191.627 cw(c317.643,190.976) 318.501,190.976 ; R32.2@318.202,191.627 cw(c317.643,190.976) 318.501,190.976 ; 318.501,190.976 cw(c319.359,190.976) R32.2@318.8,191.627 ; 318.501,190.976 cw(c319.359,190.976) R32.2@318.8,191.627 ; 318.501,190.976 cw(c319.359,190.976) R32.2@318.8,191.627 ; 318.501,190.976 cw(c319.359,190.976) R32.2@318.8,191.627